# Altium PCB EDA-03518-V3-0_pcb.pcbdoc (part 3 of 14)
Units mm, origin at the board's own origin, x right, y up, seen from the top; angles counter-clockwise.
Board outline 220 x 230 mm, 8 copper layers (Top Layer, L2P, L3, L4P, L5P, L6, L7P, Bottom Layer), stack 2.18 mm thick; 1190 components, 1445 nets, 5955 pads, 2149 vias.
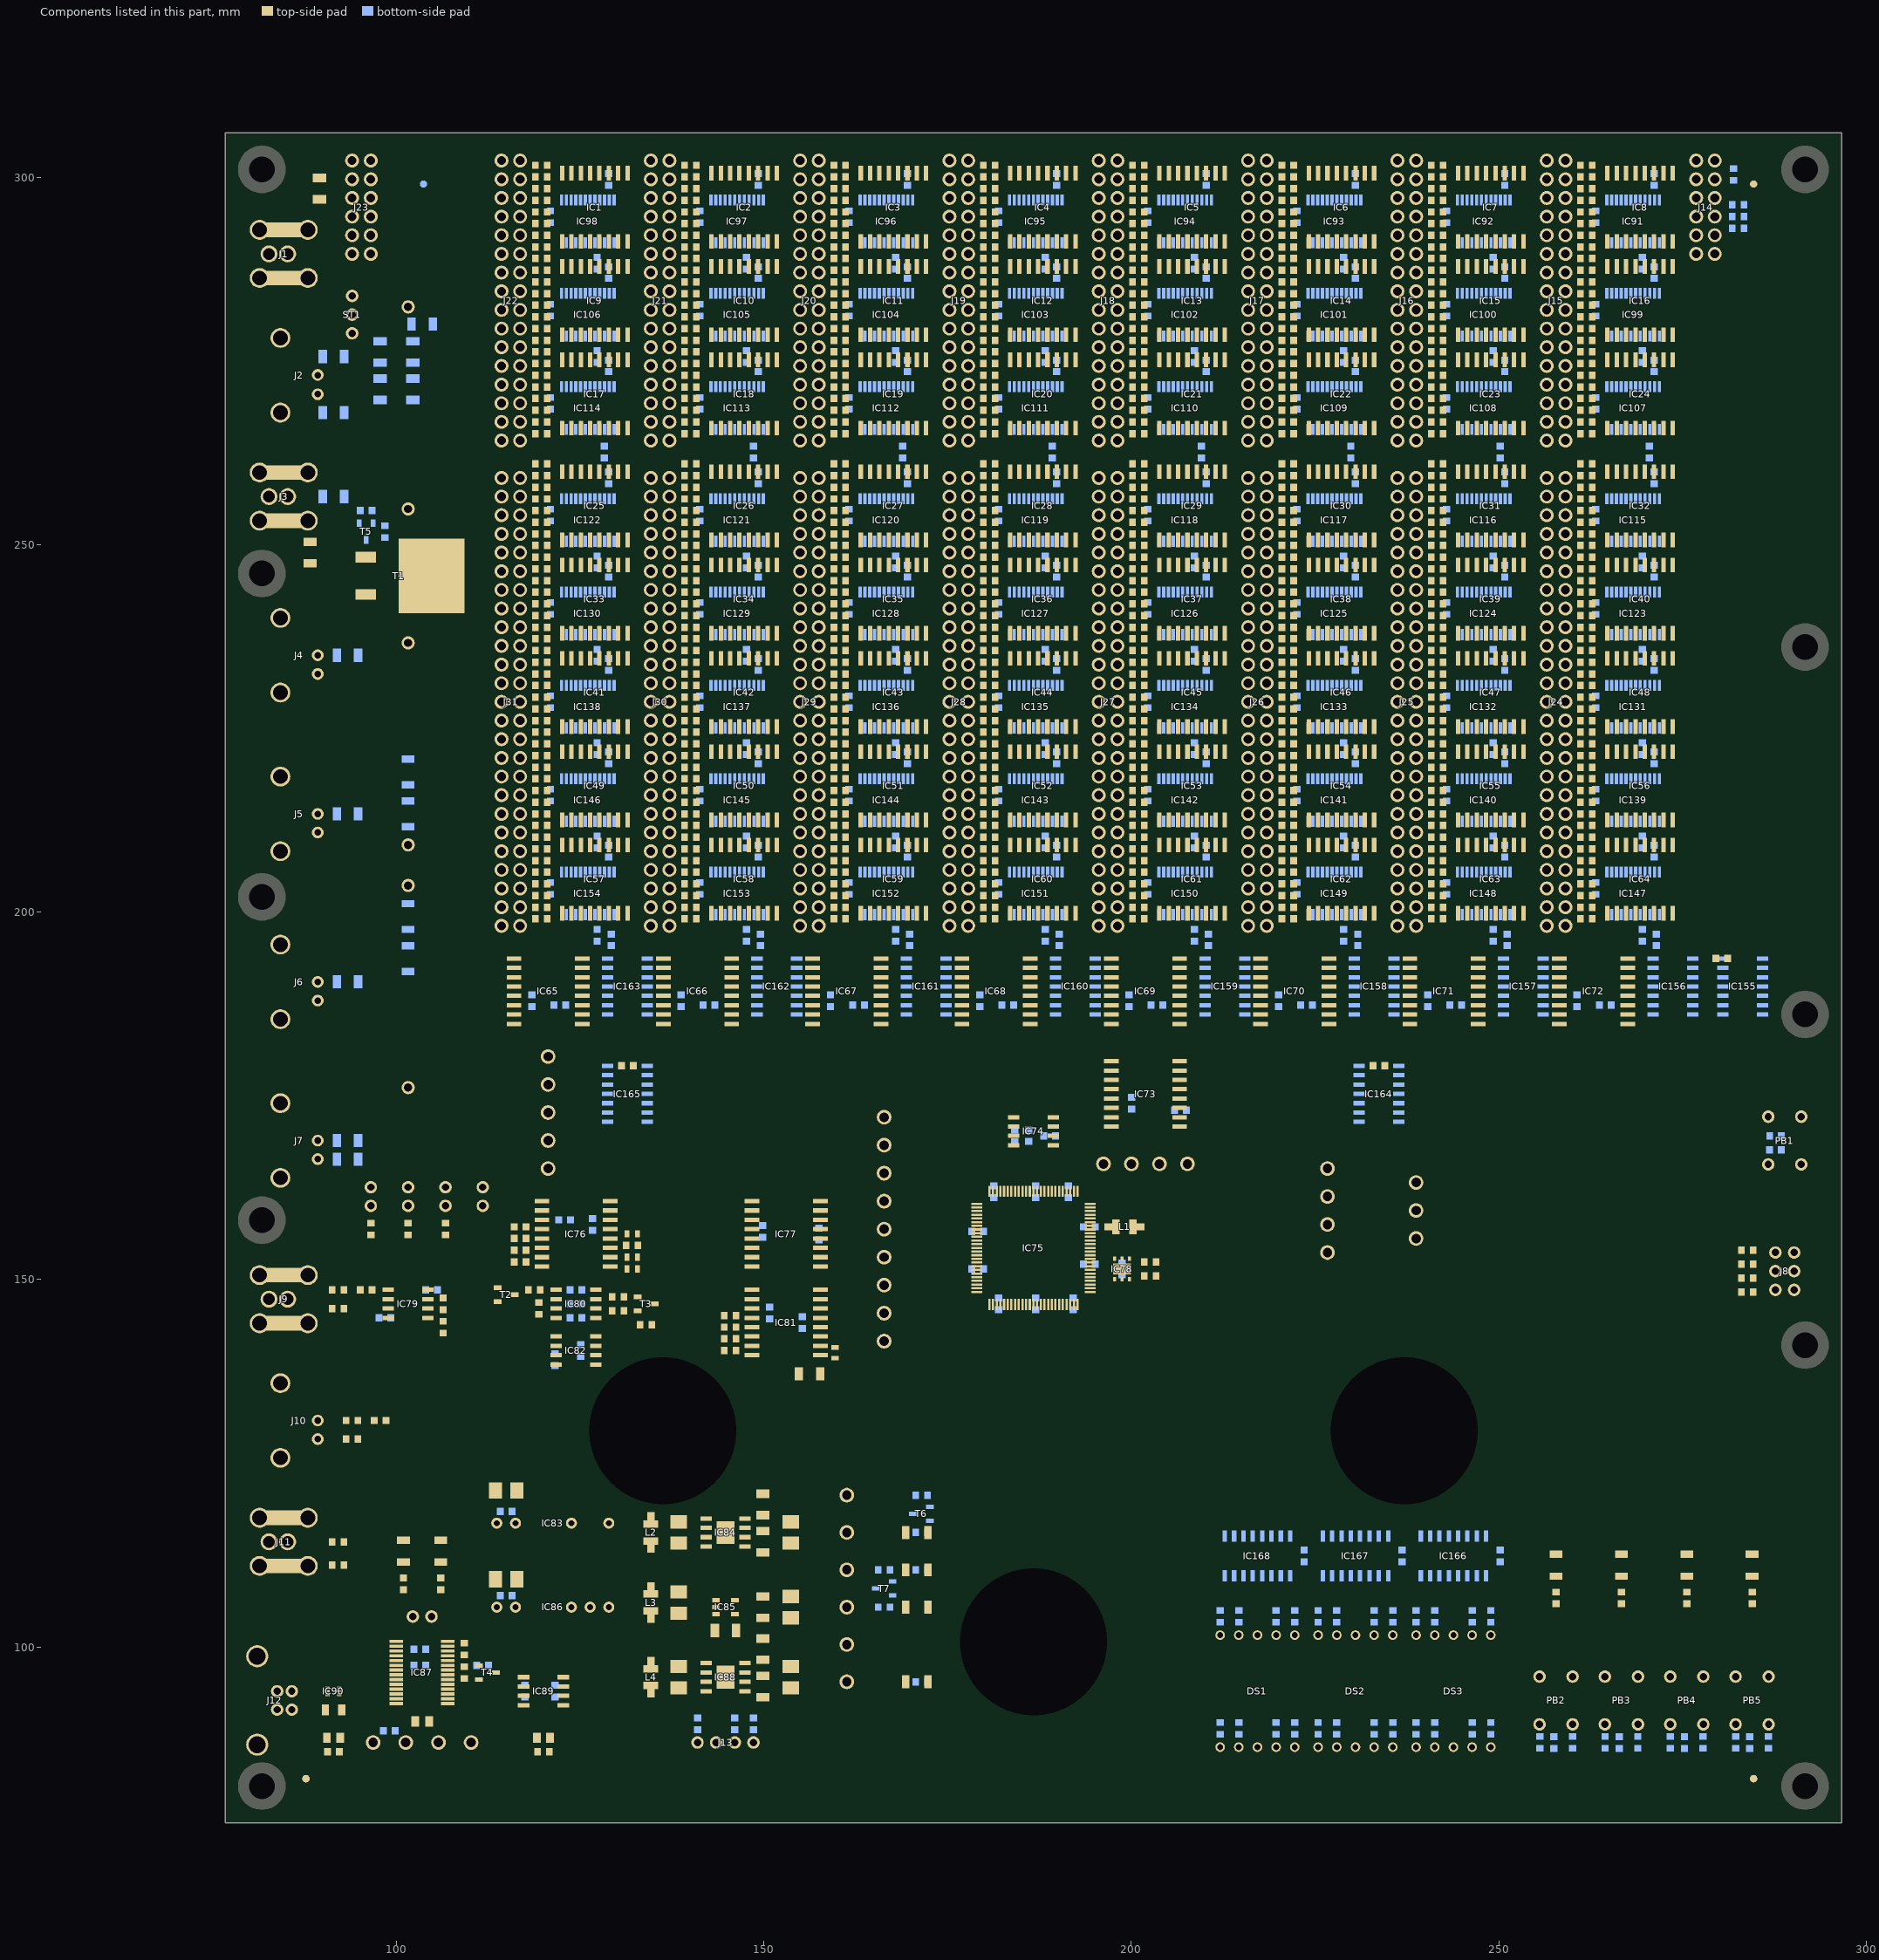
[diagram p9: the components of this part, seen from the top]

## Components (designator, comment, footprint, x,y, rotation, side; value= is the part's Value field where it differs from the comment) (continued)
R478 "10k" RESC1608X55N 180.657,205.422 r0 top (schematic designator R565)
R479 "10k" RESC1608X55N 200.977,205.422 r0 top (schematic designator R565)
R480 "10k" RESC1608X55N 221.297,205.422 r0 top (schematic designator R565)
R481 "10k" RESC1608X55N 241.617,205.422 r0 top (schematic designator R565)
R482 "10k" RESC1608X55N 261.938,205.422 r0 top (schematic designator R565)
R483 "10k" RESC1608X55N 119.697,203.835 r0 top (schematic designator R555)
R484 "10k" RESC1608X55N 140.017,203.835 r0 top (schematic designator R555)
R485 "10k" RESC1608X55N 160.338,203.835 r0 top (schematic designator R555)
R486 "10k" RESC1608X55N 180.657,203.835 r0 top (schematic designator R555)
R487 "10k" RESC1608X55N 200.977,203.835 r0 top (schematic designator R555)
R488 "10k" RESC1608X55N 221.297,203.835 r0 top (schematic designator R555)
R489 "10k" RESC1608X55N 241.617,203.835 r0 top (schematic designator R555)
R490 "10k" RESC1608X55N 261.938,203.835 r0 top (schematic designator R555)
R491 "10k" RESC1608X55N 119.697,202.248 r0 top (schematic designator R800)
R492 "10k" RESC1608X55N 140.017,202.248 r0 top (schematic designator R800)
R493 "10k" RESC1608X55N 160.338,202.248 r0 top (schematic designator R800)
R494 "10k" RESC1608X55N 180.657,202.248 r0 top (schematic designator R800)
R495 "10k" RESC1608X55N 200.977,202.248 r0 top (schematic designator R800)
R496 "10k" RESC1608X55N 221.297,202.248 r0 top (schematic designator R800)
R497 "10k" RESC1608X55N 241.617,202.248 r0 top (schematic designator R800)
R498 "10k" RESC1608X55N 261.938,202.248 r0 top (schematic designator R800)
R499 "10k" RESC1608X55N 119.697,200.66 r0 top (schematic designator R556)
R500 "10k" RESC1608X55N 140.017,200.66 r0 top (schematic designator R556)
R501 "10k" RESC1608X55N 160.338,200.66 r0 top (schematic designator R556)
R502 "10k" RESC1608X55N 180.657,200.66 r0 top (schematic designator R556)
R503 "10k" RESC1608X55N 200.977,200.66 r0 top (schematic designator R556)
R504 "10k" RESC1608X55N 221.297,200.66 r0 top (schematic designator R556)
R505 "10k" RESC1608X55N 241.617,200.66 r0 top (schematic designator R556)
R506 "10k" RESC1608X55N 261.938,200.66 r0 top (schematic designator R556)
R507 "10k" RESC1608X55N 119.697,199.072 r0 top (schematic designator R0)
R508 "10k" RESC1608X55N 140.017,199.072 r0 top (schematic designator R0)
R509 "10k" RESC1608X55N 160.338,199.072 r0 top (schematic designator R0)
R510 "10k" RESC1608X55N 180.657,199.072 r0 top (schematic designator R0)
R511 "10k" RESC1608X55N 200.977,199.072 r0 top (schematic designator R0)
R512 "10k" RESC1608X55N 221.297,199.072 r0 top (schematic designator R0)
R513 "10k" RESC1608X55N 241.617,199.072 r0 top (schematic designator R0)
R514 "10k" RESC1608X55N 261.938,199.072 r0 top (schematic designator R0)
R515 "10M" RESC1608X55N 96.52,156.845 r90 top
R516 "1M" RESC1608X55N 101.6,156.845 r90 top
R517 "100k" RESC1608X55N 106.68,156.845 r90 top
R518 "100k" RESC1608X55N 116.84,157.162 r180 top
R519 "5M" RESC1509X55N 132.08,156.21 r0 top
R520 "510k" RESC1608X55N 116.84,155.575 r180 top
R521 "10M" RESC1608X55N 132.08,154.623 r0 top
R522 "1M" RESC1608X55N 116.84,153.987 r180 top
R523 "0" RESC1608X55N 283.845,153.987 r180 top
R524 "50M" RESC1509X55N 132.08,153.035 r0 top
R525 "2M" RESC1608X55N 116.84,152.4 r180 top
R526 "10k" RESC1608X55N 202.565,152.4 r0 top
R527 "0" RESC1608X55N 283.845,152.082 r180 top
R528 "100M" RESC1509X55N 132.08,151.447 r0 top
R529 "10k" RESC1608X55N 202.565,150.495 r0 top
R530 "0" RESC1608X55N 283.845,150.177 r180 top
R531 "0" RESC1608X55N 92.075,148.59 r0 top
R532 "470" RESC1608X55N 95.885,148.59 r180 top
R533 "100" RESC1608X55N 118.745,148.59 r180 top
R534 "0" RESC1608X55N 283.845,148.273 r180 top
R535 "100" RESC1608X55N 130.175,147.637 r0 top
R536 "0" RESC1608X55N 106.362,146.685 r90 top
R537 "10k" RESC1608X55N 119.38,146.05 r90 top
R538 "0" RESC1608X55N 92.075,146.05 r180 top
R539 "10k" RESC1608X55N 130.175,145.732 r0 top
R540 "10k" RESC1608X55N 145.415,145.097 r0 top
R541 "0" RESC1608X55N 106.362,143.51 r90 top
R542 "10k" RESC1608X55N 133.985,143.827 r180 top
R543 "100k" RESC1608X55N 145.415,143.51 r0 top
R544 "1M" RESC1608X55N 145.415,141.922 r0 top
R545 "100M" RESC1509X55N 159.702,140.017 r90 top
R546 "10M" RESC1608X55N 145.415,140.335 r0 top
R547 "1G" RESC3216X65N 156.21,137.16 r0 top
R548 "0" RESC1608X55N 93.98,130.81 r180 top
R549 "51" RESC1608X55N 97.79,130.81 r180 top
R550 "0" RESC1608X55N 93.98,128.27 r180 top
R551 "36k" RESC3216X65N 149.86,119.38 r270 top
R552 "62k" RESC3216X65N 149.86,114.3 r270 top
R553 "0" RESC1608X55N 92.075,114.3 r180 top
R554 "0" RESC1608X55N 92.075,111.125 r180 top
R555 "220" RESC1608X55N 100.965,108.585 r270 top (schematic designator R806)
R556 "220" RESC1608X55N 106.045,108.585 r270 top (schematic designator R805)
R557 "330" RESC1608X55N 257.81,106.68 r270 top
R558 "330" RESC1608X55N 266.7,106.68 r270 top
R559 "330" RESC1608X55N 275.59,106.68 r270 top
R560 "330" RESC1608X55N 284.48,106.68 r270 top
R561 "91k" RESC3216X65N 149.86,105.41 r270 top
R562 "8k2" RESC3216X65N 144.78,102.235 r180 top
R563 "8k2" RESC3216X65N 149.86,99.695 r270 top
R564 "1k" RESC1608X55N 109.22,99.695 r270 top (schematic designator R803)
R565 "100k" RESC1608X55N 109.22,96.52 r270 top (schematic designator R802)
R566 "91k" RESC3216X65N 149.86,94.615 r270 top
R567 "1M1" RESC1608X55N 91.44,85.725 r180 top
R568 "1M1" RESC1608X55N 120.015,85.725 r180 top (schematic designator R804)
R569 "10k" RESC1608X55N 281.94,300.355 r90 bottom
R570 "10k" RESC1608X55N 282.575,296.227 r0 bottom
R571 "33k" RESC1608X55N 263.207,294.64 r90 bottom (schematic designator R801)
R572 "33k" RESC1608X55N 242.887,294.64 r90 bottom (schematic designator R801)
R573 "33k" RESC1608X55N 222.567,294.64 r90 bottom (schematic designator R801)
R574 "33k" RESC1608X55N 202.248,294.64 r90 bottom (schematic designator R801)
R575 "33k" RESC1608X55N 181.927,294.64 r90 bottom (schematic designator R801)
R576 "33k" RESC1608X55N 161.607,294.64 r90 bottom (schematic designator R801)
R577 "33k" RESC1608X55N 141.287,294.64 r90 bottom (schematic designator R801)
R578 "33k" RESC1608X55N 120.968,294.64 r90 bottom (schematic designator R801)
R579 "10k" RESC1608X55N 282.575,294.64 r0 bottom
R580 "10k" RESC1608X55N 282.575,293.053 r0 bottom
R581 "33k" RESC1608X55N 263.207,281.94 r90 bottom (schematic designator R801)
R582 "33k" RESC1608X55N 242.887,281.94 r90 bottom (schematic designator R801)
R583 "33k" RESC1608X55N 222.567,281.94 r90 bottom (schematic designator R801)
R584 "33k" RESC1608X55N 202.248,281.94 r90 bottom (schematic designator R801)
R585 "33k" RESC1608X55N 181.927,281.94 r90 bottom (schematic designator R801)
R586 "33k" RESC1608X55N 161.607,281.94 r90 bottom (schematic designator R801)
R587 "33k" RESC1608X55N 141.287,281.94 r90 bottom (schematic designator R801)
R588 "33k" RESC1608X55N 120.968,281.94 r90 bottom (schematic designator R801)
R589 "0" RESC3216X65N 103.505,280.035 r180 bottom
R590 "10k" RESC3216X65N 102.235,276.225 r270 bottom
R591 "10k" RESC3216X65N 97.79,276.225 r90 bottom
R592 "0" RESC3216X65N 91.44,275.59 r180 bottom
R593 "10k" RESC3216X65N 102.235,271.145 r270 bottom
R594 "10k" RESC3216X65N 97.79,271.145 r90 bottom
R595 "33k" RESC1608X55N 263.207,269.24 r90 bottom (schematic designator R801)
R596 "33k" RESC1608X55N 242.887,269.24 r90 bottom (schematic designator R801)
R597 "33k" RESC1608X55N 222.567,269.24 r90 bottom (schematic designator R801)
R598 "33k" RESC1608X55N 202.248,269.24 r90 bottom (schematic designator R801)
R599 "33k" RESC1608X55N 181.927,269.24 r90 bottom (schematic designator R801)
R600 "33k" RESC1608X55N 161.607,269.24 r90 bottom (schematic designator R801)
R601 "33k" RESC1608X55N 141.287,269.24 r90 bottom (schematic designator R801)
R602 "33k" RESC1608X55N 120.968,269.24 r90 bottom (schematic designator R801)
R603 "0" RESC3216X65N 91.44,267.97 r180 bottom
R604 "0" RESC3216X65N 91.44,256.54 r180 bottom
R605 "33k" RESC1608X55N 263.207,254 r90 bottom (schematic designator R801)
R606 "33k" RESC1608X55N 242.887,254 r90 bottom (schematic designator R801)
R607 "33k" RESC1608X55N 222.567,254 r90 bottom (schematic designator R801)
R608 "33k" RESC1608X55N 202.248,254 r90 bottom (schematic designator R801)
R609 "33k" RESC1608X55N 181.927,254 r90 bottom (schematic designator R801)
R610 "33k" RESC1608X55N 161.607,254 r90 bottom (schematic designator R801)
R611 "33k" RESC1608X55N 141.287,254 r90 bottom (schematic designator R801)
R612 "33k" RESC1608X55N 120.968,254 r90 bottom (schematic designator R801)
R613 "100k" RESC1608X55N 95.885,254.635 r180 bottom
R614 "100k" RESC1608X55N 98.425,251.778 r90 bottom
R615 "33k" RESC1608X55N 263.207,241.3 r90 bottom (schematic designator R801)
R616 "33k" RESC1608X55N 242.887,241.3 r90 bottom (schematic designator R801)
R617 "33k" RESC1608X55N 222.567,241.3 r90 bottom (schematic designator R801)
R618 "33k" RESC1608X55N 202.248,241.3 r90 bottom (schematic designator R801)
R619 "33k" RESC1608X55N 181.927,241.3 r90 bottom (schematic designator R801)
R620 "33k" RESC1608X55N 161.607,241.3 r90 bottom (schematic designator R801)
R621 "33k" RESC1608X55N 141.287,241.3 r90 bottom (schematic designator R801)
R622 "33k" RESC1608X55N 120.968,241.3 r90 bottom (schematic designator R801)
R623 "0" RESC3216X65N 93.345,234.95 r180 bottom
R624 "33k" RESC1608X55N 263.207,228.6 r90 bottom (schematic designator R801)
R625 "33k" RESC1608X55N 242.887,228.6 r90 bottom (schematic designator R801)
R626 "33k" RESC1608X55N 222.567,228.6 r90 bottom (schematic designator R801)
R627 "33k" RESC1608X55N 202.248,228.6 r90 bottom (schematic designator R801)
R628 "33k" RESC1608X55N 181.927,228.6 r90 bottom (schematic designator R801)
R629 "33k" RESC1608X55N 161.607,228.6 r90 bottom (schematic designator R801)
R630 "33k" RESC1608X55N 141.287,228.6 r90 bottom (schematic designator R801)
R631 "33k" RESC1608X55N 120.968,228.6 r90 bottom (schematic designator R801)
R632 "33k" RESC1608X55N 263.207,215.9 r90 bottom (schematic designator R801)
R633 "33k" RESC1608X55N 242.887,215.9 r90 bottom (schematic designator R801)
R634 "33k" RESC1608X55N 222.567,215.9 r90 bottom (schematic designator R801)
R635 "33k" RESC1608X55N 202.248,215.9 r90 bottom (schematic designator R801)
R636 "33k" RESC1608X55N 181.927,215.9 r90 bottom (schematic designator R801)
R637 "33k" RESC1608X55N 161.607,215.9 r90 bottom (schematic designator R801)
R638 "33k" RESC1608X55N 141.287,215.9 r90 bottom (schematic designator R801)
R639 "33k" RESC1608X55N 120.968,215.9 r90 bottom (schematic designator R801)
R640 "0" RESC3216X65N 93.345,213.36 r180 bottom
R641 "33k" RESC1608X55N 263.207,203.2 r90 bottom (schematic designator R801)
R642 "33k" RESC1608X55N 242.887,203.2 r90 bottom (schematic designator R801)
R643 "33k" RESC1608X55N 222.567,203.2 r90 bottom (schematic designator R801)
R644 "33k" RESC1608X55N 202.248,203.2 r90 bottom (schematic designator R801)
R645 "33k" RESC1608X55N 181.927,203.2 r90 bottom (schematic designator R801)
R646 "33k" RESC1608X55N 161.607,203.2 r90 bottom (schematic designator R801)
R647 "33k" RESC1608X55N 141.287,203.2 r90 bottom (schematic designator R801)
R648 "33k" RESC1608X55N 120.968,203.2 r90 bottom (schematic designator R801)
R649 "0" RESC3216X65N 93.345,190.5 r180 bottom
R650 "10k" RESC1608X55N 287.655,169.545 r0 bottom
R651 "0" RESC3216X65N 93.345,168.91 r180 bottom
R652 "0" RESC3216X65N 93.345,166.37 r180 bottom
R653 "10k" RESC1608X55N 124.46,146.685 r0 bottom
R654 "100k" RESC1608X55N 171.45,120.65 r0 bottom
R655 "330" RESC1608X55N 171.45,115.57 r0 bottom
R656 "750" RESC1608X55N 171.45,110.49 r0 bottom
R657 "100k" RESC1608X55N 166.37,110.49 r180 bottom
R658 "2k4" RESC1608X55N 166.37,105.41 r180 bottom
R659 "3k3" RESC1608X55N 248.92,104.14 r270 bottom
R660 "3k3" RESC1608X55N 246.38,104.14 r270 bottom
R661 "3k3" RESC1608X55N 241.3,104.14 r270 bottom
R662 "3k3" RESC1608X55N 238.76,104.14 r270 bottom
R663 "3k3" RESC1608X55N 235.585,104.14 r270 bottom
R664 "3k3" RESC1608X55N 233.045,104.14 r270 bottom
R665 "3k3" RESC1608X55N 227.965,104.14 r270 bottom
R666 "3k3" RESC1608X55N 225.425,104.14 r270 bottom
R667 "3k3" RESC1608X55N 222.25,104.14 r270 bottom
R668 "3k3" RESC1608X55N 219.71,104.14 r270 bottom
R669 "3k3" RESC1608X55N 214.63,104.14 r270 bottom
R670 "3k3" RESC1608X55N 212.09,104.14 r270 bottom
R671 "2k4" RESC1608X55N 171.45,95.25 r0 bottom
R672 "10k" RESC1608X55N 148.59,89.535 r90 bottom
R673 "10k" RESC1608X55N 140.97,89.535 r90 bottom
R674 "3k3" RESC1608X55N 248.92,88.9 r270 bottom
R675 "3k3" RESC1608X55N 246.38,88.9 r270 bottom
R676 "3k3" RESC1608X55N 241.3,88.9 r270 bottom
R677 "3k3" RESC1608X55N 238.76,88.9 r270 bottom
R678 "3k3" RESC1608X55N 235.585,88.9 r270 bottom
R679 "3k3" RESC1608X55N 233.045,88.9 r270 bottom
R680 "3k3" RESC1608X55N 227.965,88.9 r270 bottom
R681 "3k3" RESC1608X55N 225.425,88.9 r270 bottom
R682 "3k3" RESC1608X55N 222.25,88.9 r270 bottom
R683 "3k3" RESC1608X55N 219.71,88.9 r270 bottom
R684 "3k3" RESC1608X55N 214.63,88.9 r270 bottom
R685 "3k3" RESC1608X55N 212.09,88.9 r270 bottom
R686 "10k" RESC1608X55N 286.702,86.995 r270 bottom
R687 "100k" RESC1608X55N 282.257,86.995 r90 bottom
R688 "10k" RESC1608X55N 277.812,86.995 r270 bottom
R689 "100k" RESC1608X55N 273.368,86.995 r90 bottom
R690 "10k" RESC1608X55N 268.923,86.995 r270 bottom
R691 "100k" RESC1608X55N 264.477,86.995 r90 bottom
R692 "10k" RESC1608X55N 260.032,86.995 r270 bottom
R693 "100k" RESC1608X55N 255.587,86.995 r90 bottom
ST1 "Header 3" SAMTEC_MTLW-103-07-L-S-250 93.98,283.845 r270 top
ST2 "10M" SAMTEC_MTLW-102-07-L-S-250 96.52,162.56 r270 top
ST3 "1M" SAMTEC_MTLW-102-07-L-S-250 101.6,162.56 r270 top
ST4 "100k" SAMTEC_MTLW-102-07-L-S-250 106.68,162.56 r270 top
ST5 "Header 2" SAMTEC_MTLW-102-07-L-S-250 111.76,162.56 r270 top
ST6 "Header 2" SAMTEC_MTLW-102-07-L-S-250 102.235,104.14 r0 top
SW1 "Jumper" STELVIO-KONTEK_3131730000402 93.98,283.845 r270 top
SW2 "SWCNT" STELVIO-KONTEK_3131730000402 111.76,162.56 r270 top
SW3 "Jumper Type1" STELVIO-KONTEK_3131730000402 102.235,104.14 r0 top
T1 "2SK4177-DL-1E" TO254P1340X450-3N-R900X1020 101.6,245.745 r0 top
T2 "2N7002" SOT95P240X130-3N 114.935,147.955 r0 top
T3 "2N7002" SOT95P240X130-3N 133.985,146.685 r0 top
T4 "IRLML6402PBF" SOT95P237X112-3N 112.395,96.52 r0 top
T5 "2N7002" SOT95P240X130-3N 95.885,251.778 r270 bottom
T6 "2N7002" SOT95P240X130-3N 171.45,118.11 r180 bottom
T7 "BSH203" SOT95P230X110-3N 166.37,107.95 r180 bottom
TP1 "A3" VERO_20-2136 120.65,180.34 r90 top
TP2 "A4" VERO_20-2136 120.65,176.53 r90 top
TP3 "A5" VERO_20-2136 120.65,172.72 r90 top
TP4 "ENHV" VERO_20-2136 166.37,172.085 r90 top
TP5 "RST" VERO_20-2136 120.65,168.91 r90 top
TP6 "CVM0" VERO_20-2136 166.37,168.275 r0 top
TP7 "A8" VERO_20-2136 196.215,165.735 r90 top
TP8 "A7" VERO_20-2136 200.025,165.735 r90 top
TP9 "A6" VERO_20-2136 203.835,165.735 r90 top
TP10 "EN_A" VERO_20-2136 207.645,165.735 r90 top
TP11 "DIN" VERO_20-2136 120.65,165.1 r90 top
TP12 "DOUT" VERO_20-2136 226.695,165.1 r90 top
TP13 "CVM1" VERO_20-2136 166.37,164.465 r0 top
TP14 "A2" VERO_20-2136 238.76,163.195 r90 top
TP15 "A1" VERO_20-2136 226.695,161.29 r90 top
TP16 "CVM2" VERO_20-2136 166.37,160.655 r0 top
TP17 "A0" VERO_20-2136 238.76,159.385 r90 top
TP18 "SYNC" VERO_20-2136 226.695,157.48 r90 top
TP19 "MT0" VERO_20-2136 166.37,156.845 r90 top
TP20 "SCLK" VERO_20-2136 238.76,155.575 r90 top
TP21 "EN" VERO_20-2136 226.695,153.67 r90 top
TP22 "MT1" VERO_20-2136 166.37,153.035 r90 top
TP23 "R0" VERO_20-2136 166.37,149.225 r90 top
TP24 "R1" VERO_20-2136 166.37,145.415 r90 top
TP25 "R2" VERO_20-2136 166.37,141.605 r90 top
TP26 "GND" VERO_20-2136 161.29,120.65 r0 top
TP27 "3.3V" VERO_20-2136 161.29,115.57 r0 top
TP28 "+5V" VERO_20-2136 161.29,110.49 r0 top
TP29 "-15V" VERO_20-2136 161.29,105.41 r0 top
TP30 "GND" VERO_20-2136 161.29,100.33 r0 top
TP31 "+15V" VERO_20-2136 161.29,95.25 r0 top
TP32 "UGND" VERO_20-2136 96.837,86.995 r0 top
TP33 "VUSB" VERO_20-2136 101.282,86.995 r0 top
TP34 "3.3V_USB" VERO_20-2136 105.727,86.995 r0 top
TP35 "VUSBGATED" VERO_20-2136 110.172,86.995 r0 top

## Footprints (in the part's own frame and the unit in brackets; to place one, negate y for a bottom-side part, rotate by r counter-clockwise, add the part's x,y. Pads: shape width x height; smd on the part's side, far side on the other; paste and mask are expansions set on the pad)
CAPC1608X80N [mm] "Chip Capacitor, Body 1.6x0.8mm IPC Medium Density"
  rect 1x1 smd: 1(-0.75,0) 2(0.75,0)
  body extent -0.87,-0.47 0.88,0.48, height 0.8
CAPC1608X87N [mm] "Chip Capacitor, Body 1.6x0.8mm IPC Medium Density"
  rect 0.95x1 smd: 1(-0.8,0) 2(0.8,0)
  body extent -0.87,-0.47 0.88,0.48, height 0.87
CAPC2012X135N [mm] "Chip Capacitor, Body 2.0x1.25mm, IPC Medium Density"
  rect 1.05x1.4 smd: 1(-0.9,0) 2(0.9,0)
  silkscreen extent 0,-0.58 0,0.58, body extent -1.05,-0.67 1.05,0.68, height 1.25
CAPMP3528X210N [mm] "Capacitor, Polarized, Molded  Body 3.5x2.8mm, IPC Medium Density"
  rect 1.8x2.25 smd: 1(-1.45,0) 2(1.45,0)
  silkscreen extent -2.52,-1.5 1.85,1.72, body extent -1.85,-1.5 1.85,1.5, height 2.1
CAPR2750-1100X3200X2100 [mm] "Capacitor Radial, Pin spacing 27.5mm - Body With 11mm X Body Length 32mm X Body Height 21mm"
  round 1.8 hole 1.1: 1(-13.75,0) 2(13.75,0)
  silkscreen extent -16,-5.5 16,5.5, body extent -16,-5.5 16,5.5, height 21
CINCH_CBBJR79A [mm] "TRB Right Angle PCB Jack"
  round 2.3 hole 1.6: 1(0.2,0) 2(2.74,0)
  round 2.7 hole 2: 3(-2.54,3.275) 3(-2.54,-3.275) 3(4.01,3.275) 3(4.01,-3.275)
  oval 8.55x2 smd paste-1 mask-1: 3(0.733,3.275) 3(0.733,-3.275)
  silkscreen extent -3.29,-7.53 26.7,7.53, body extent -3.29,-8.26 26.7,8.26, height 17.38
DCDC_TRACO_TMV-D [mm] "TMV Series, Dual Output DC/DC Converter,  Body 19.5x6.1mm"
  round 1.5 hole 0.8: 1(-7.62,0) 2(-5.08,0) 5(2.54,0) 6(5.08,0) 7(7.62,0)
  silkscreen extent -9.9,-5.75 9.88,1.55, body extent -9.87,-4.8 9.88,1.55, height 10.45
DCDC_TRACO_TMV-EN [mm] "TMV Series, Single Output DC/DC Converter,  Body 22x7.5mm"
  round 1.5 hole 0.8: 1(-7.62,0) 2(-5.08,0) 5(2.54,0) 7(7.62,0)
  silkscreen extent -11.76,-6.18 11.13,2.25, body extent -11.12,-5.5 11.13,2.25, height 12.75
DIOMELF3515N [mm] "SOD80C, MELF Diode, 2-Leads, Body 3.5x1.5mm, IPC Medium Density"
  rect 1x1.75 smd: 1(-1.75,0) 2(1.75,0)
  silkscreen extent -0.85,-0.8 0.85,0.8, body extent -1.85,-0.8 1.85,0.8, height 1.6
DS_KINGBRIGHT_SA52-11SRWA [mm] "13.2mm Single Digit Numeric Red Display, Body 12.65x17.75mm"
  round 1.3 hole 0.8: 1(-5.08,-7.62) 2(-2.54,-7.62) 3(0,-7.62) 4(2.54,-7.62) 5(5.08,-7.62) 6(5.08,7.62) 7(2.54,7.62) 8(0,7.62) 9(-2.54,7.62) 10(-5.08,7.62)
  silkscreen extent -6.33,-8.88 6.33,8.88, body extent -6.33,-8.88 6.33,8.88, height 7.1
FIDUCIAL_TOP_C100-200 [mm] "Round Fiducial Target, Top Layer, 1.0mm, Top Solder 2.0mm, Keepout =2.0mm"
  round 1 smd paste-0.51 mask+0.5: FTG2(0,0)
  Top Layer keep-out circle w0.1: c0,0 r1
FUSR_BOURNS_MF-PSMF050 [mm] "PTC Resettable Fuse, MF-PSMS Series, Height 0.48mm"
  rect 1x1.5 smd: 1(-1.1,0) 2(1.1,0)
  silkscreen extent -0.25,-0.67 0.25,0.67, body extent -1.07,-0.67 1.08,0.68, height 0.48
IND_MURATA_LQH32C [mm] "Chip Inductor, 3.40mm L X 2.50mm W X 2.20mm H, MURATA LQH32 Series"
  rect 1.1x1 smd: 1(-2.2,0) 2(2.2,0)
  rect 1x2 smd: 1(-1.15,0) 2(1.15,0)
  silkscreen extent -2.05,-1.4 2.05,1.4, body extent -1.75,-1.25 1.75,1.25, height 2.2
INDC2012X110N [mm] "Chip Inductor, EIA 0805, Metric 2012, Body 2.0x1.2mm, IPC Medium Density"
  rect 1.05x1.4 smd: 1(-0.95,0) 2(0.95,0)
  silkscreen extent 0,-0.53 0,0.53, body extent -1,-0.62 1,0.63, height 1.1
LED_AVAGO_HSMC-C150 [mm] "Red Chip LED, 2-Leads, Body 3.2 x1.6mm, IPC Medium Density"
  rect 1x1.75 smd: 1(-1.5,0) 2(1.5,0)
  silkscreen extent -2.62,-0.8 0.65,0.8, body extent -1.65,-0.85 1.65,0.85, height 1.2
LED_AVAGO_HSMG-C150 [mm] "Green Chip LED, 2-Leads, Body 3.2 x1.6mm, IPC Medium Density"
  rect 1x1.75 smd: 1(-1.5,0) 2(1.5,0)
  silkscreen extent -2.63,-0.8 0.65,0.8, body extent -1.65,-0.85 1.65,0.85, height 1.2
LED_AVAGO_HSMY-C150 [mm] "Yellow Diffused Chip LED, 2-Leads, Body 3.2 x1.6mm, IPC Medium Density"
  rect 1x1.75 smd: 1(-1.5,0) 2(1.5,0)
  silkscreen extent -2.62,-0.8 0.65,0.8, body extent -1.65,-0.85 1.65,0.85, height 1.2
PB_ALPS_SKHHDTA010 [mm] "6x6mm Model, 13mm Stem Height Vertical Pushbutton Switch, ALPS SKHH Series"
  round 1.7 hole 1: 1(-3.25,2.25) 2(3.25,2.25) 3(-3.25,-2.25) 4(3.25,-2.25)
  silkscreen extent -3.1,-3.1 3.1,3.1, body extent -3.95,-3.1 3.95,3.1, height 13
QFP50P1600X1600X120-100N [mm] "QFP, 0.50mm Pitch, Square; 100 Pin,14.00mm L X 14.00mm W X 1.20mm H Body, IPC Medium Density"